# Altium PCB Bidir_Active_Rectifier-Main_Board.PcbDoc (part 1 of 3)
Units mm, origin at the board's own origin, x right, y up, seen from the top; angles counter-clockwise.
Board outline 95 x 135 mm, 2 copper layers (Top Layer, Bottom Layer), stack 1.641 mm thick; 308 components, 176 nets, 905 pads, 591 vias.
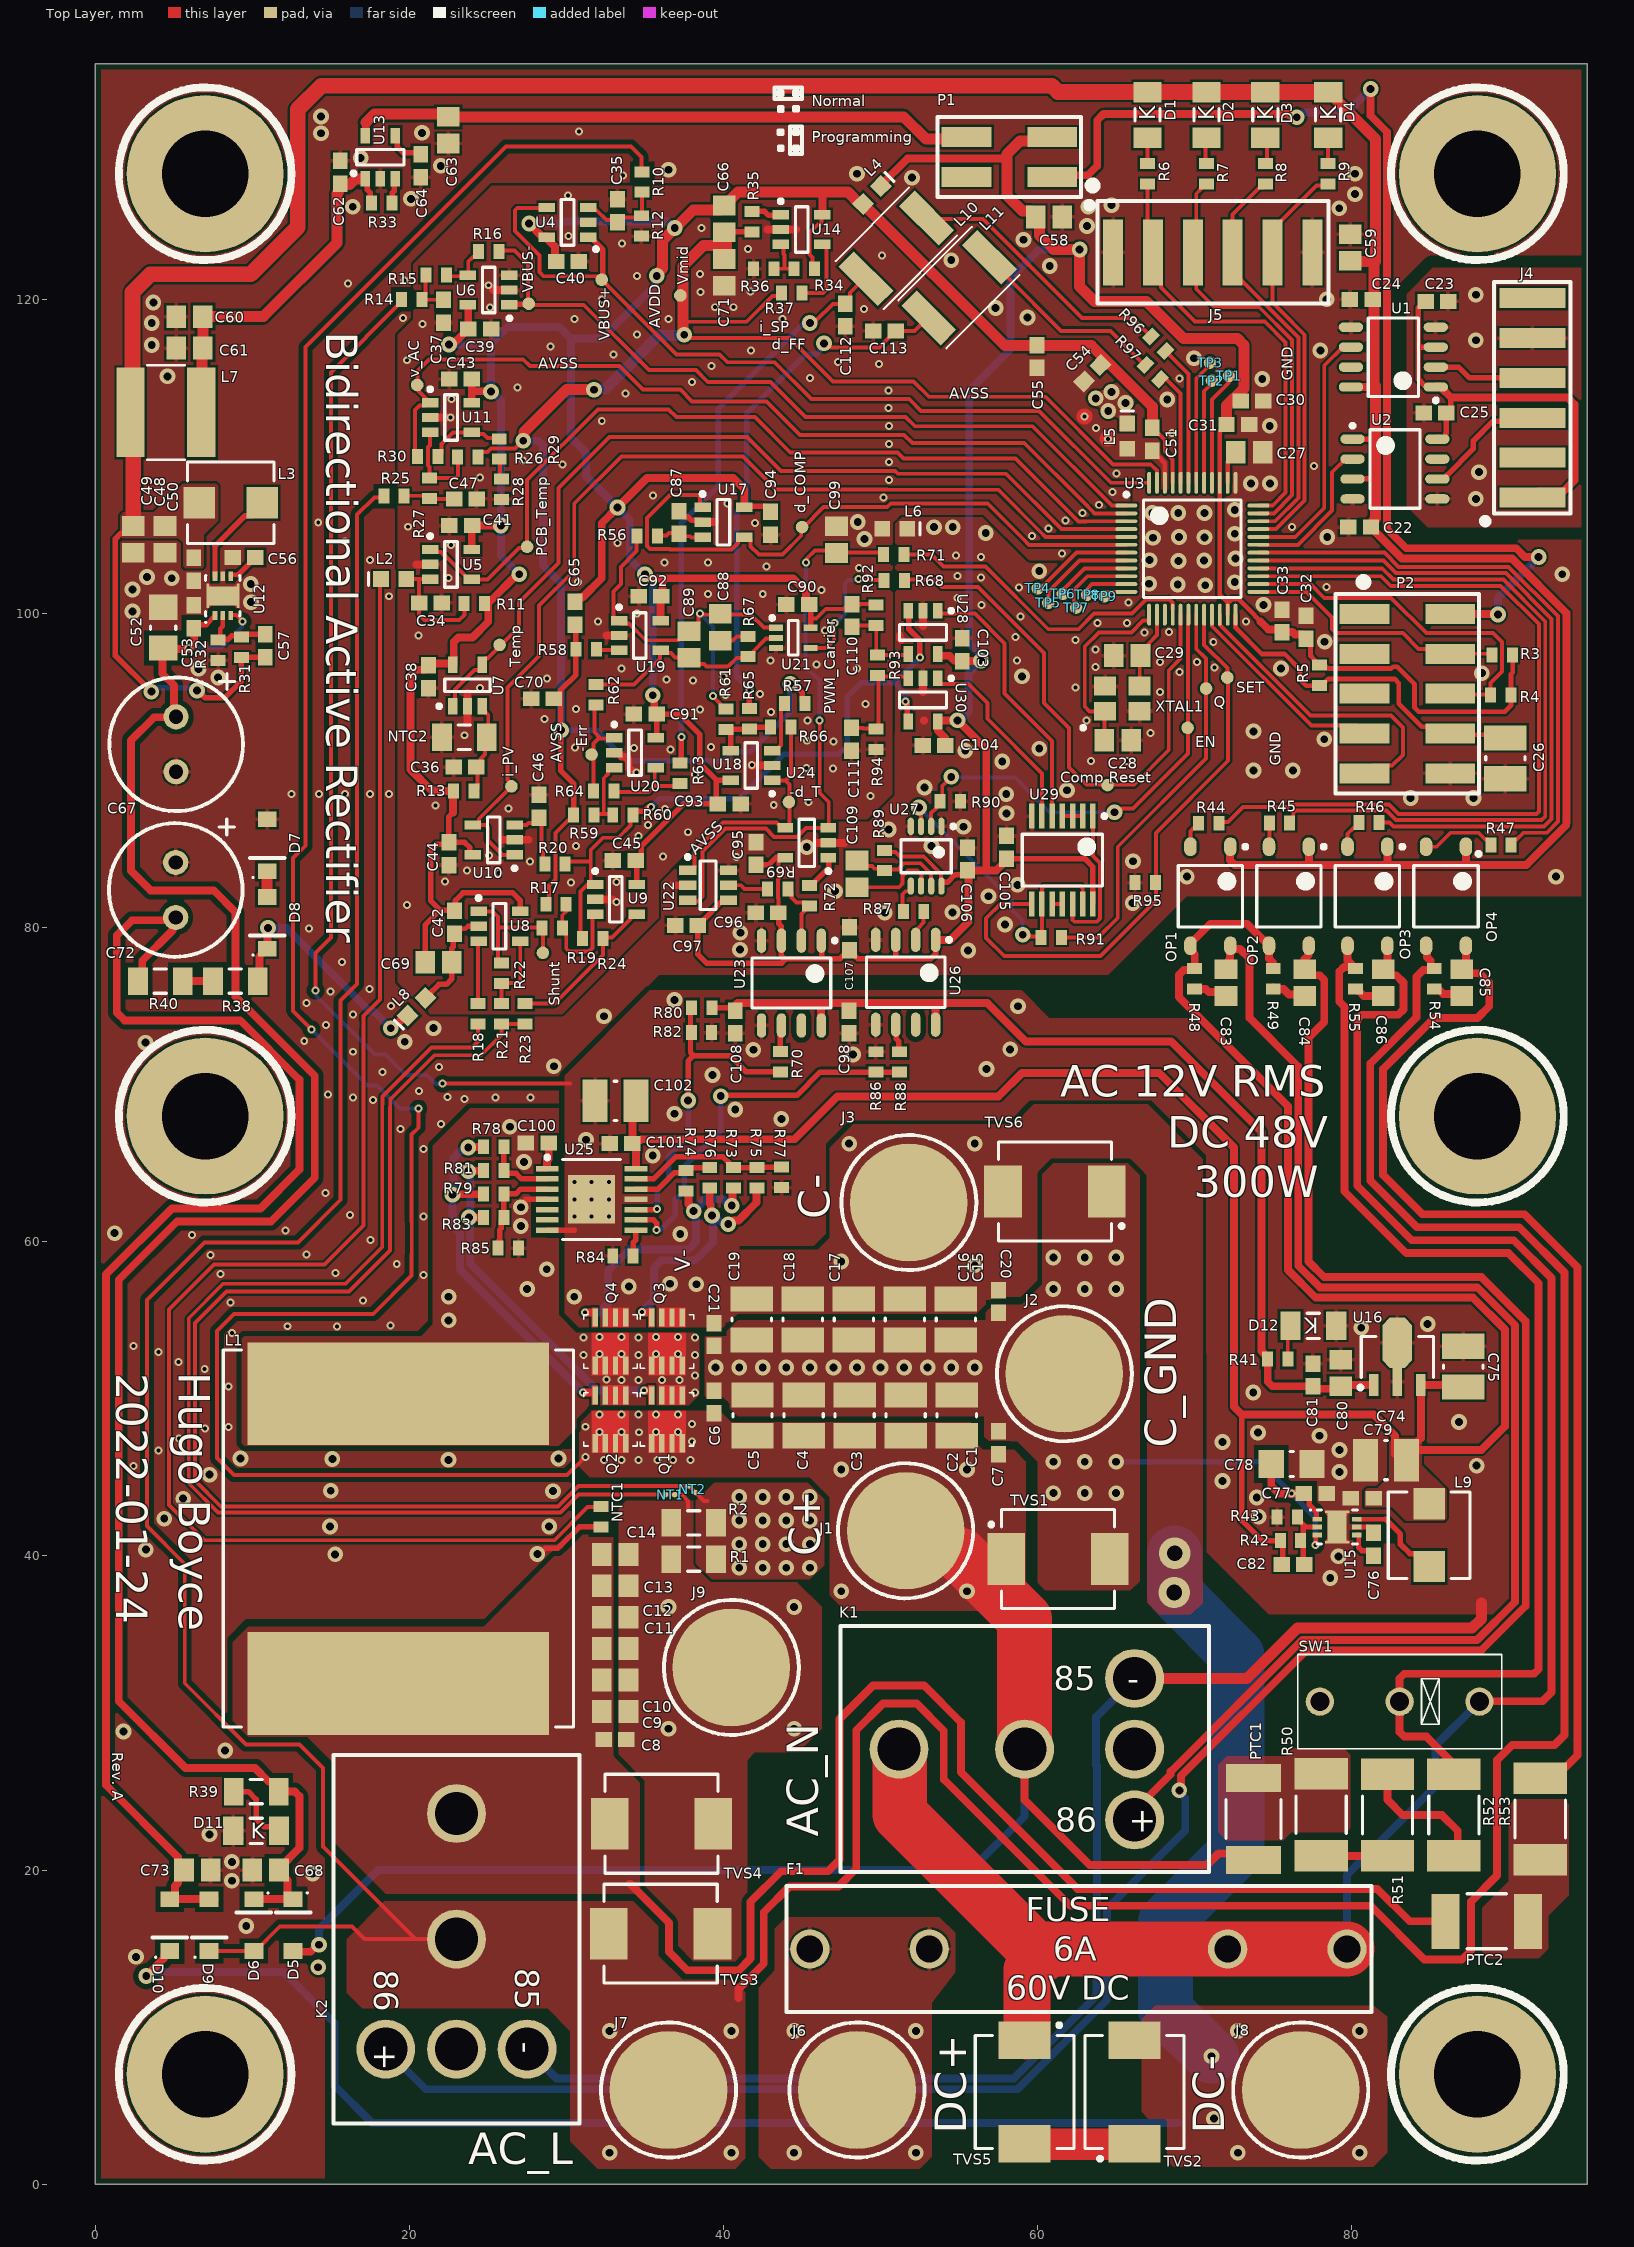
[diagram p0: Top Layer view]
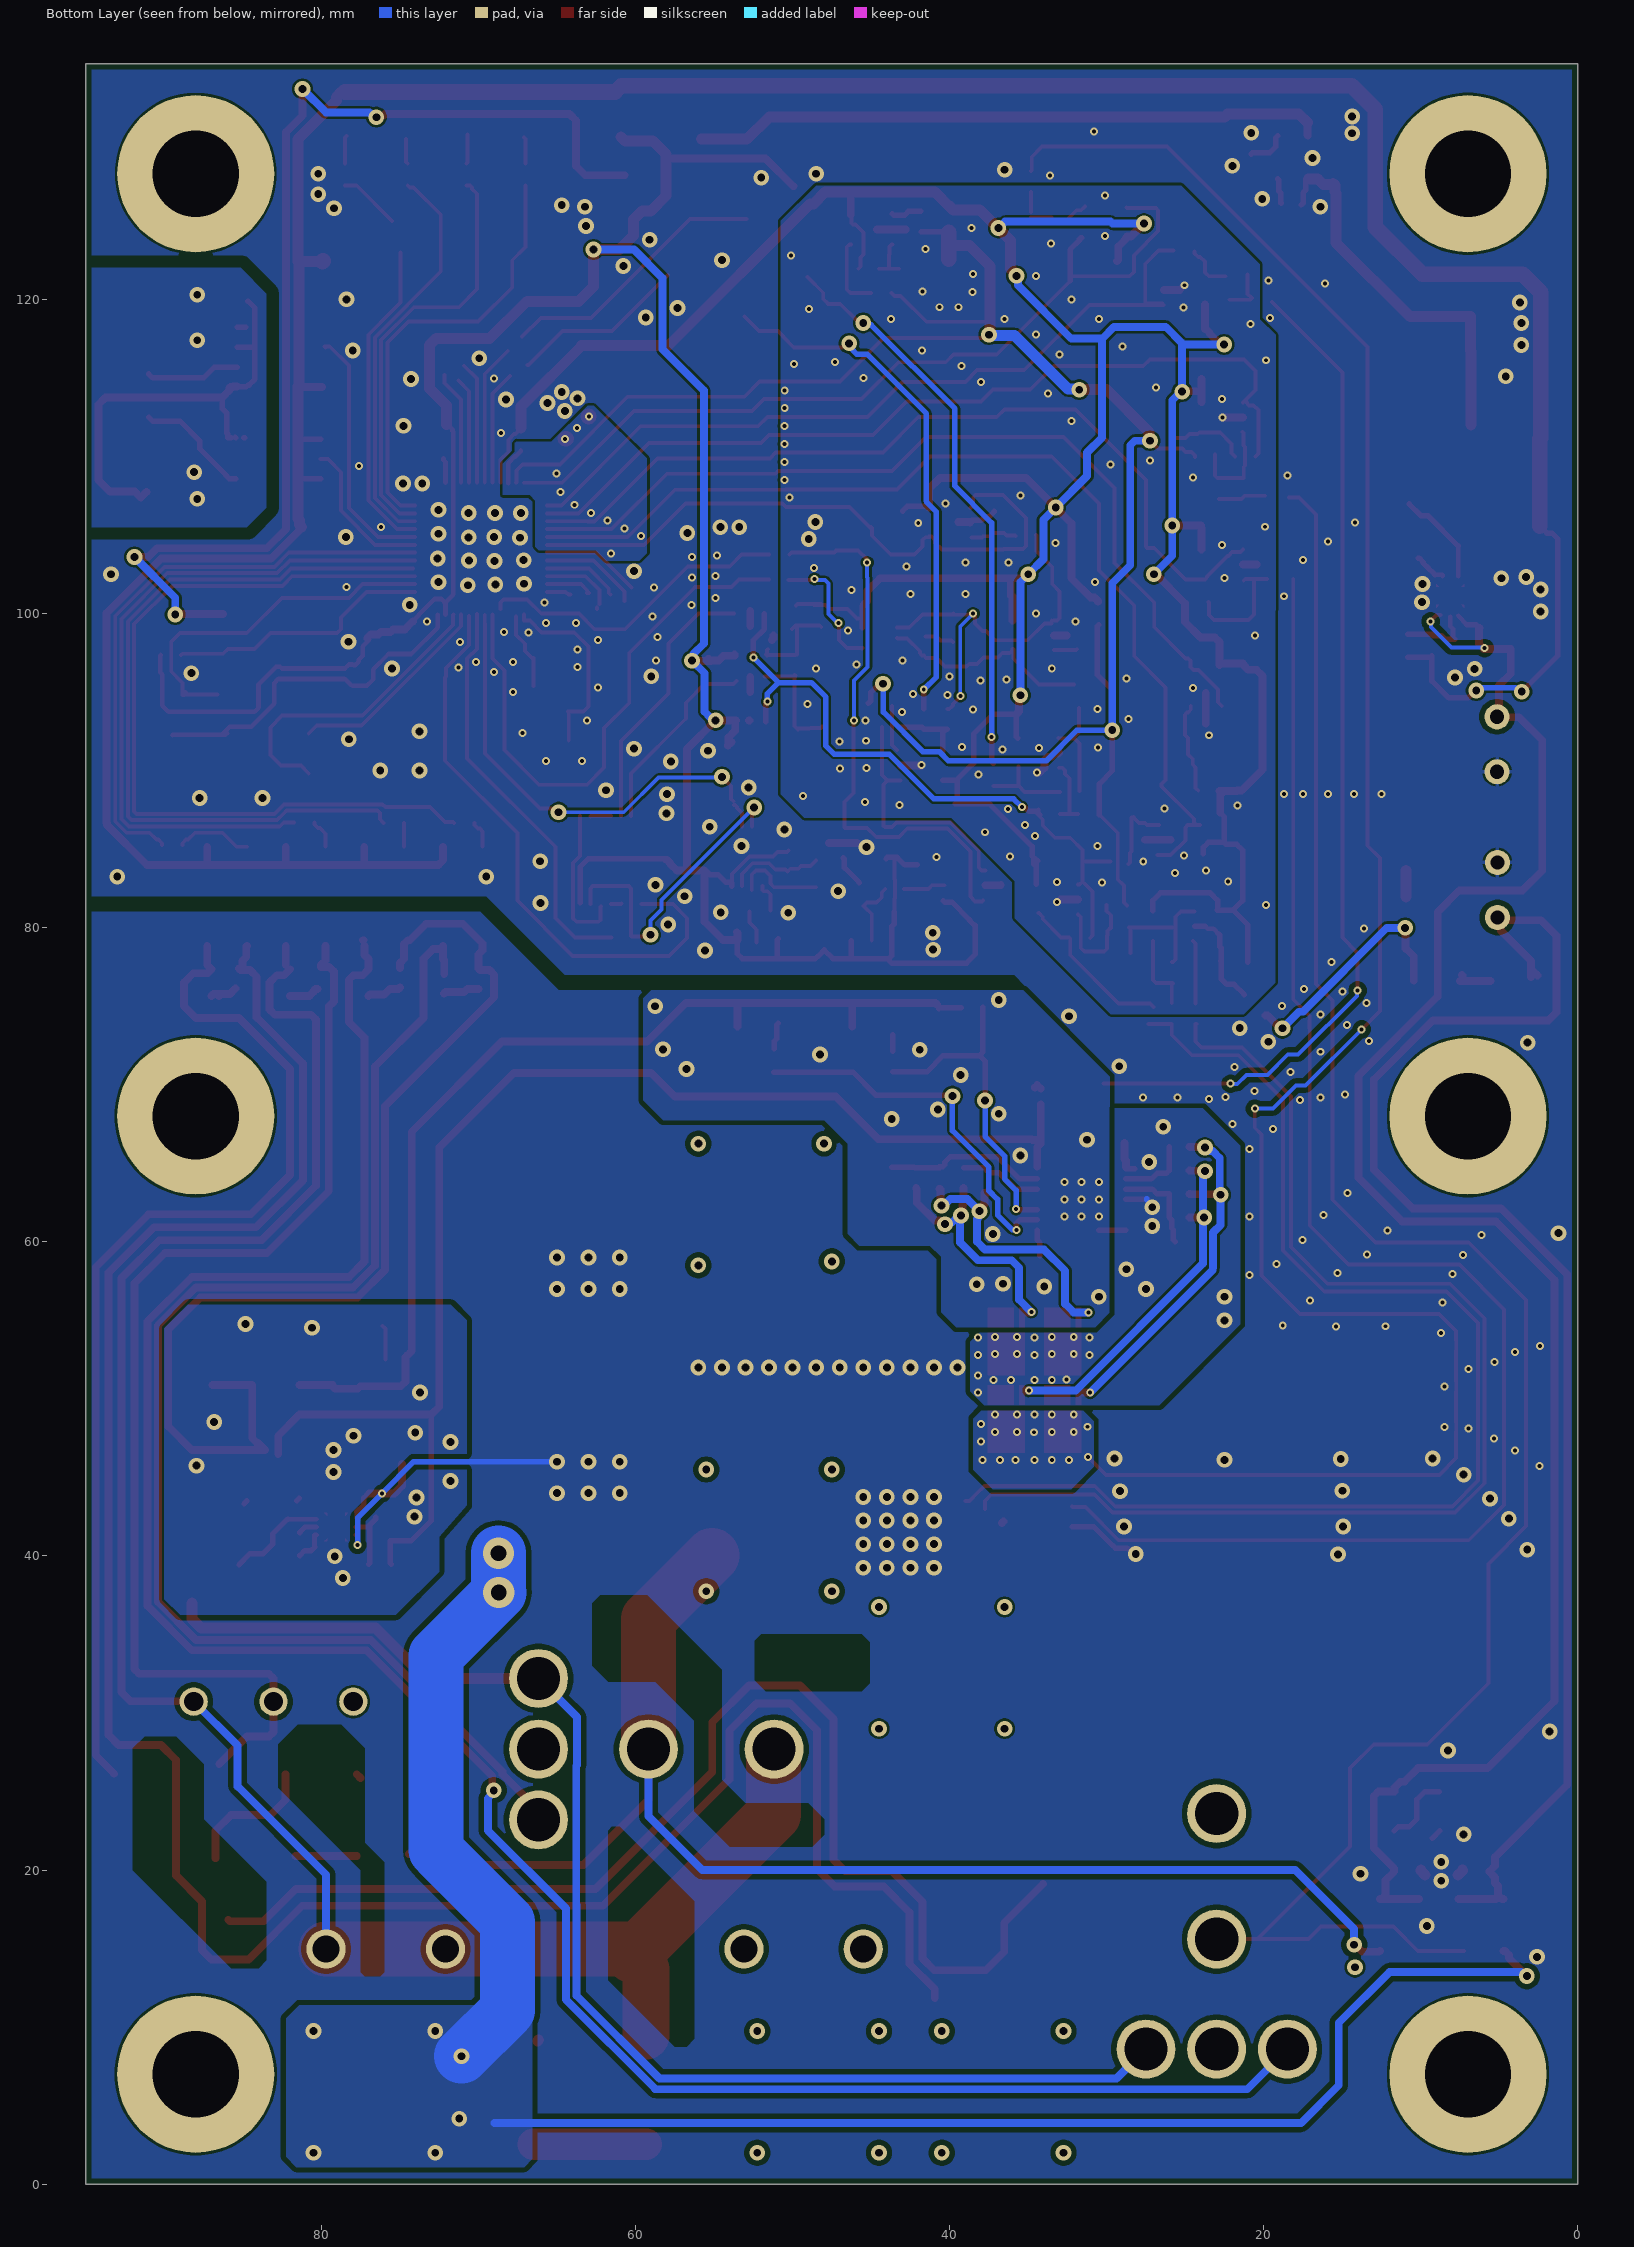
[diagram p1: Bottom Layer view, seen from below]

## Layer stack, top to bottom
Top Solder: solder mask 0.0254, SM-001, Dk 4
Top Layer: signal copper 0.0711
Dielectric 1: core 1.4986, Core-043, Dk 4.3
Bottom Layer: signal copper 0.0711
Bottom Solder: solder mask 0.0254, SM-001, Dk 4

## Board outline
0,0 0,135 95,135 95,0

## Design rules (kind name [scope] priority, off if disabled: settings)
BoardOutlineClearance [All] p1: gap=0.381 ignorepadtopadclearanceinfootprint=FALSE except(0: Arc-SplitContinuation Track-SplitContinuation SMDPad-SplitContinuation THPad-SplitContinuation Via-SplitContinuation Fill-SplitContinuation Poly-SplitContinuation Region-SplitContinuation Text-SplitContinuation)
Clearance V_SW [InNetClass('V_SW_Referenced') vs Not InNetClass('V_SW_Referenced')] p1: gap=0.324 ignorepadtopadclearanceinfootprint=FALSE
Clearance VBUS+ [InNetClass('VBUS+_Referenced')] p2: gap=0.324 ignorepadtopadclearanceinfootprint=FALSE
Clearance VBUS- [InNetClass('VBUS-_Referenced') vs (Not InNetClass('VBUS-_Referenced')) And ( Not InNetClass('Excluded'))] p3: gap=0.324 ignorepadtopadclearanceinfootprint=FALSE
Clearance Any_Voltage [InNetClass('Any_Voltage')] p4: gap=0.324 ignorepadtopadclearanceinfootprint=FALSE
Clearance Any_Voltage_1 [InNetClass('V_Ext_Referenced') vs Not InNetClass('V_Ext_Referenced')] p5: gap=0.8 ignorepadtopadclearanceinfootprint=FALSE
Clearance General [All] p6: gap=0.152 ignorepadtopadclearanceinfootprint=FALSE
FabricationTestPointUsage [All] p1: valid=0 allowmultiple=TRUE
FabricationTestpoint [All] p1: side=3 testpointundercomponent=FALSE minsize=1.016 maxsize=2.54 preferedsize=1.524 minholesize=0 maxholesize=1.016 preferedholesize=0.813 testpointgrid=0.025 allowsidetop=TRUE allowsidebottom=TRUE usegrid=TRUE gridtolerance=0
Height [All] p1: minheight=0 maxheight=35 prefheight=12.7
HoleSize [All] p1: absolutevalues=TRUE maxlimit=6.35 minlimit=0.254 maxpercent=80.000 minpercent=20.000
MinimumAnnularRing [All] p1: minimumring=0.102
MinimumSolderMaskSliver [All] p1: minsoldermaskwidth=0.102
NetAntennae [IsTrack] p1: netantennaetolerance=5
PolygonConnect PolygonConnect_Power_components_and_vias [(InComponentClass('Power Components')) Or IsVia] p1: connectstyle=Direct reliefconductorwidth=0.254 reliefentries=4 polygonreliefangle="90 Angle" airgapwidth=0.254
PolygonConnect [All] p2: connectstyle=Relief reliefconductorwidth=0.254 reliefentries=4 polygonreliefangle="90 Angle" airgapwidth=0.127
RoutingVias [All] p1: holewidth=0.5 width=1 viastyle="Through Hole" minholewidth=0.254 minwidth=0.457 maxholewidth=6.35 maxwidth=8
SilkToSilkClearance [All] p1: silktosilkclearance=0.001
SilkToSolderMaskClearance [IsPad] p1: minsilkscreentomaskgap=0.076 clearancetoexposedcopper=TRUE
SolderMaskExpansion [All] p1: expansion=0.076 istentingtop=FALSE
UnRoutedNet [All] p1: checkbadconnections=TRUE
Width [All] p1: maxlimit=5 minlimit=0.152 preferedwidth=0.254
21 further rules are at their usual default settings.

## Classes and differential pairs
net class V_SW_Referenced: GATE_H_1 GATE_H_2 NetC100_2 NetR78_2 NetR79_2 V_SW
net class V_Ext_Referenced: 3V3_EXT GND_USB NetJ4_3 NetJ4_4 NetJ8_2 NetJ8_6 NetP3_2 NetP3_6 NetU2_7
net class Excluded: NetC82_2 NetU24_5 NetU24_6
net class Any_Voltage: AC_PERM AC_SW NetK2_87A_Dummy NetPTC2_2 NetR38_1 V+_Const V-_Const
component class "Power Components": C1 C2 C3 C4 C5 C6 C7 C8 C9 C10 C11 C12 C13 C14 C15 C16 C17 C18 C19 C20 C21 C27 C30 C31 C32 C33 C48 C49 C50 C51 C52 C53 C54 C55 C56 C71 C74 C77 C78 C79 C95 C99 C100 J1 J2 J3 J6 J7 J8 J9 K1 K2 L1 L3 L5 L6 L9 PTC1 PTC2 Q1 Q2 Q3 Q4 R1 R2 R50 R53 TVS1 TVS2 TVS3 TVS4 TVS5 TVS6 U3 U12 U15 U25
net class VBUS-_Referenced: ENABLE GATE_L_1 GATE_L_2 NetC76_2 NetC82_2 NetC83_1 NetC83_2 NetC84_1 NetC84_2 NetC85_1 NetC86_1 NetD12_2 NetL9_1 NetR70_1 NetR73_1 NetR74_1 NetR84_2 NetR88_1 PWM VBUS- VBUS-_+5V VBUS-_+12V
net class GND_Referenced: +3.3V_Reg +3.6V -1.5V -d_TOT -Error AC_Charge AC_N AC_PERM AC_Switch ADC_d_COMP ADC_i_PV ADC_PCB_Temp ADC_v_AC ADC_VBUS+ ADC_VBUS- ADC_Xformer_Temp AVDD AVSS COMP_RESET CURRENT_OK_LATCH_Q CURRENT_OK_LATCH_SET d_CMP d_FF DC_Charge DC_Switch ENABLE_PULSE GND i_PV i_SP ICE_CLK ICE_DAT LED_Amber LED_Blue LED_Green LED_Red NetC27_2 NetC28_2 NetC29_2 NetC34_2 NetC35_2 NetC36_2 NetC37_2 NetC46_2 NetC47_2 NetC56_2 NetC57_2 NetC60_2 NetC64_2 NetC87_2 NetC88_1 NetC89_1 NetD1_1 NetD2_1 NetD3_1 NetD4_1 NetD7_1 NetD8_1 NetL2_1 NetL3_1 NetL10_1 NetL11_1 NetP1_1 NetR15_1 NetR17_1 NetR18_2 NetR19_1 NetR21_2 NetR23_2 NetR26_2 NetR28_1 NetR29_1 NetR33_1 NetR34_1 NetR35_2 NetR37_2 NetR57_1 NetR58_1 NetR59_1 NetR61_1 NetR63_2 NetR68_2 NetR69_1 NetR69_2 NetR72_1 NetTP1_1 NetTP2_1 NetTP3_1 NetTP4_1 NetTP5_1 NetTP6_1 NetTP7_1 NetTP8_1 NetTP9_1 nRESET PWM_Carrier PWM_CARRIER_SQ PWM_d_FF PWM_i_SP Reg_Out Shunt_+ Shunt_- UART0_RXD UART0_TXD UART1_RXD UART1_TXD VBUS+ VBUS- Vmid
net class VBUS+_Referenced: NetC86_2 NetF1_1 NetK1_87A_Dummy NetOP3_3 NetPTC1_2 NetR50_2 NetR51_2 VBUS+

## Components (designator, comment, footprint, x,y, rotation, side; value= is the part's Value field where it differs from the comment)
C1 "GCM32EC71H106KA03L" CAPC3225X27N 54.85,48.95 r270 top
C2 "GCM32EC71H106KA03L" CAPC3225X27N 51.6,48.95 r270 top
C3 "GCM32EC71H106KA03L" CAPC3225X27N 48.35,48.95 r270 top
C4 "GCM32EC71H106KA03L" CAPC3225X27N 45.1,48.95 r270 top
C5 "GCM32EC71H106KA03L" CAPC3225X27N 41.85,48.95 r270 top
C6 "CC0603KPX7R9BB104" CAPC1608X09N 39.4,49.8 r270 top
C7 "CC0603KPX7R9BB104" CAPC1608X09N 57.5,47.2 r270 top
C8 "CC0603KPX7R9BB104" CAPC1608X09N 33.1,28.3 r180 top
C9 "GCM21BC7YA225KE02L" CAPC2012X14N 33.1,30.1 r180 top
C10 "GCM21BC7YA225KE02L" CAPC2012X14N 33.1,32.1 r180 top
C11 "GCM21BC7YA225KE02L" CAPC2012X14N 33.1,34.1 r180 top
C12 "GCM21BC7YA225KE02L" CAPC2012X14N 33.1,36.1 r180 top
C13 "GCM21BC7YA225KE02L" CAPC2012X14N 33.1,38.1 r180 top
C14 "GCM21BC7YA225KE02L" CAPC2012X14N 33.1,40.1 r180 top
C15 "GCM32EC71H106KA03L" CAPC3225X27N 54.8,55.05 r270 top
C16 "GCM32EC71H106KA03L" CAPC3225X27N 51.55,55.05 r270 top
C17 "GCM32EC71H106KA03L" CAPC3225X27N 48.3,55.05 r270 top
C18 "GCM32EC71H106KA03L" CAPC3225X27N 45.05,55.05 r270 top
C19 "GCM32EC71H106KA03L" CAPC3225X27N 41.8,55.05 r270 top
C20 "CC0603KPX7R9BB104" CAPC1608X09N 57.5,56.2 r270 top
C21 "CC0603KPX7R9BB104" CAPC1608X09N 39.4,54.1 r270 top
C22 "CC0603KPX7R9BB104" CAPC1608X09N 80.5,105.5 r180 top
C23 "CC0603KPX7R9BB104" CAPC1608X09N 85.425,119.875 r180 top
C24 "CC0603KPX7R9BB104" CAPC1608X09N 80.6,120 r180 top
C25 "CC0603KPX7R9BB104" CAPC1608X09N 85.3,112.775 r0 top
C26 "GCM32EC71H106KA03L" CAPC3225X27N 89.782,90.782 r90 top
C27 "GCM21BC7YA225KE02L" CAPC2012X14N 73.475,110.275 r180 top
C28 "Cap" CAPC2012X14N 65.1,91.925 r180 top value="18 pF"
C29 "Cap" CAPC2012X14N 65.7,97.325 r0 top value="18 pF"
C30 "CC0603KPX7R9BB104" CAPC1608X09N 73.65,113.525 r180 top
C31 "Cap" CAPC1608X09N 72.75,112.025 r180 top value="10 nF"
C32 "Cap" CAPC1608X09N 77.075,99.125 r270 top value="10 nF"
C33 "CC0603KPX7R9BB104" CAPC1608X09N 75.55,99.525 r270 top
C34 "CC0603KPX7R9BB104" CAPC1608X09N 21.35,100.675 r180 top
C35 "Cap" CAPC1608X09N 33.25,125.65 r270 top value="10 nF"
C36 "CC0603KPX7R9BB104" CAPC1608X09N 23.55,90.225 r0 top
C37 "Cap" CAPC1608X09N 22.175,119.25 r90 top value="10 nF"
C38 "CC0603KPX7R9BB104" CAPC1608X09N 21.225,95.975 r90 top
C39 "CC0603KPX7R9BB104" CAPC1608X09N 24.475,118.125 r180 top
C40 "CC0603KPX7R9BB104" CAPC1608X09N 30.075,122.425 r180 top
C41 "CC0603KPX7R9BB104" CAPC1608X09N 23.275,105.6 r0 top
C42 "CC0603KPX7R9BB104" CAPC1608X09N 22.885,80.342 r90 top
C43 "CC0603KPX7R9BB104" CAPC1608X09N 23.25,114.925 r0 top
C44 "CC0603KPX7R9BB104" CAPC1608X09N 22.522,84.71 r90 top
C45 "CC0603KPX7R9BB104" CAPC1608X09N 33.675,84.275 r0 top
C46 "Cap" CAPC1608X09N 28.247,87.735 r270 top value="1 nF"
C47 "Cap" CAPC1608X09N 23.575,107.3 r180 top value="10 nF"
C48 "CL21A226KQCLRNC" CAPC2012X14N 4.45,104.725 r90 top
C49 "CL21A226KQCLRNC" CAPC2012X14N 2.425,104.725 r90 top
C50 "CC0603KPX7R9BB104" CAPC1608X09N 6.275,102.825 r270 top
C51 "CC0603KPX7R9BB104" CAPC1608X09N 67.3,111.1 r90 top
C52 "CL31B475KAHNNNE" CAPC3216X12N 4.325,99.1 r270 top
C53 "CC0603KPX7R9BB104" CAPC1608X09N 6.275,99.8 r90 top
C54 "Cap" CAPC1608X09N 63.475,115.3 r45 top
C55 "Cap" CAPC1608X09N 59.964,116.358 r90 top
C56 "CL10A105KA5LNNC" CAPC1608X09N 9.475,103.575 r0 top
C57 "" CAPC1608X09N 10.825,97.95 r90 top value=33pF
C58 "CL21A226KQCLRNC" CAPC2012X14N 60.725,125.25 r180 top
C59 "CL21A226KQCLRNC" CAPC2012X14N 79.9,123.3 r270 top
C60 "CL21A226KQCLRNC" CAPC2012X14N 6,118.9 r0 top
C61 "CL21A226KQCLRNC" CAPC2012X14N 6,116.9 r0 top
C62 "CC0603KPX7R9BB104" CAPC1608X09N 15.6,128.1 r270 top
C63 "CL21A226KQCLRNC" CAPC2012X14N 22.475,130.775 r90 top
C64 "CC0603KPX7R9BB104" CAPC1608X09N 20.725,128.5 r90 top
C65 "CC0603KPX7R9BB104" CAPC1608X09N 30.55,100.025 r90 top
C66 "CL21A226KQCLRNC" CAPC2012X14N 40.05,125.125 r90 top
C67 "35ZLJ330M8X20" ELECTROLYTIC_D8_P3.5_H20 5.15,91.675 r270 top
C68 "GCM21BC7YA225KE02L" CAPC2012X14N 10.85,20 r0 top
C69 "GCM21BC7YA225KE02L" CAPC2012X14N 21.86,77.792 r180 top
C70 "CC0603KPX7R9BB104" CAPC1608X09N 28.475,94.575 r0 top
C71 "CL21A226KQCLRNC" CAPC2012X14N 40.05,121.725 r90 top
C72 "35ZLJ330M8X20" ELECTROLYTIC_D8_P3.5_H20 5.125,82.4 r270 top
C73 "GCM21BC7YA225KE02L" CAPC2012X14N 6.5,20 r0 top
C74 "GCM32EC71H106KA03L" CAPC3225X27N 82.175,46.1 r0 top
C75 "GCM32EC71H106KA03L" CAPC3225X27N 87.1,52.05 r270 top
C76 "CL10A105KA5LNNC" CAPC1608X09N 81.375,40.746 r270 top
C77 "CC0603KPX7R9BB104" CAPC1608X09N 77.675,43.975 r180 top
C78 "CL31B475KAHNNNE" CAPC3216X12N 76.175,45.85 r180 top
C79 "CC0603KPX7R9BB104" CAPC1608X09N 80.675,43.675 r0 top
C80 "GCM21BC7YA225KE02L" CAPC2012X14N 79.3,51.65 r270 top
C81 "CC0603KPX7R9BB104" CAPC1608X09N 77.525,51.525 r270 top
C82 "" CAPC1608X09N 76.261,39.465 r0 top value=33pF
C83 "Cap" CAPC2012X14N 72,76.5 r90 top value="160 pF"
C84 "Cap" CAPC2012X14N 77,76.5 r90 top value="160 pF"
C85 "Cap" CAPC2012X14N 87,76.5 r90 top value="160 pF"
C86 "Cap" CAPC2012X14N 82,76.5 r90 top value="160 pF"
C87 "Cap" CAPC1608X09N 37.175,105.8 r270 top value="1 nF"
C88 "Cap" CAPC2012X14N 39.8,99.125 r90 top value="56 nF"
C89 "Cap" CAPC2012X14N 37.8,98.025 r90 top value="160 pF"
C90 "CC0603KPX7R9BB104" CAPC1608X09N 44.725,100.575 r0 top
C91 "CC0603KPX7R9BB104" CAPC1608X09N 35.025,93.6 r0 top
C92 "CC0603KPX7R9BB104" CAPC1608X09N 35.325,101.1 r0 top
C93 "CC0603KPX7R9BB104" CAPC1608X09N 40.375,87.875 r180 top
C94 "CC0603KPX7R9BB104" CAPC1608X09N 43,105.75 r90 top
C95 "CC0603KPX7R9BB104" CAPC1608X09N 42.075,84.725 r270 top
C96 "CC0603KPX7R9BB104" CAPC1608X09N 42.775,80.95 r0 top
C97 "CC0603KPX7R9BB104" CAPC1608X09N 37.65,80.15 r0 top
C98 "CC0603KPX7R9BB104" CAPC1608X09N 48,74 r90 top
C99 "Cap" CAPC2012X14N 47.2,104.7 r270 top value="470 pF"
C100 "GRM188R71E474KA12D" CAPC1608X09N 28.15,66.3 r0 top
C101 "CC0603KPX7R9BB104" CAPC1608X09N 33.475,66.25 r0 top
C102 "GCM32EC71H106KA03L" CAPC3225X27N 33.125,68.975 r0 top
C103 "CC0603KPX7R9BB104" CAPC1608X09N 55.2,97.7 r270 top
C104 "CC0603KPX7R9BB104" CAPC1608X09N 53.4,91.6 r0 top
C105 "CC0603KPX7R9BB104" CAPC1608X09N 58.025,85.125 r270 top
C106 "CC0603KPX7R9BB104" CAPC1608X09N 55.525,84.375 r270 top
C107 "CC0603KPX7R9BB104" CAPC1608X09N 48.025,79.3 r270 top
C108 "CC0603KPX7R9BB104" CAPC1608X09N 40.75,74 r90 top
C109 "Cap" CAPC2012X14N 48.5,83.425 r90 top value="1 nF"
C110 "CC0603KPX7R9BB104" CAPC1608X09N 48.175,99.875 r90 top
C111 "CC0603KPX7R9BB104" CAPC1608X09N 48.15,92 r90 top
C112 "GRM188R71E474KA12D" CAPC1608X09N 47.75,119 r90 top
C113 "GRM188R71E474KA12D" CAPC1608X09N 50.25,118 r0 top
D1 "150120RS75000" 150120RS75000 67,131.75 r90 top
D2 "150120RS75000" 150120RS75000 70.75,131.75 r90 top
D3 "150120RS75000" 150120RS75000 74.5,131.75 r90 top
D4 "150120RS75000" 150120RS75000 78.5,131.75 r90 top
D5 "1N4007FLTR" SMC-Diodes-Solutions_SOD-123FL 12.6,16.5 r270 top
D6 "1N4007FLTR" SMC-Diodes-Solutions_SOD-123FL 10.1,16.5 r270 top
D7 "1N4007FLTR" SMC-Diodes-Solutions_SOD-123FL 10.95,85.25 r90 top
D8 "1N4007FLTR" SMC-Diodes-Solutions_SOD-123FL 10.95,80.3 r90 top
D9 "1N4007FLTR" SMC-Diodes-Solutions_SOD-123FL 7.25,16.5 r90 top
D10 "1N4007FLTR" SMC-Diodes-Solutions_SOD-123FL 4.75,16.5 r90 top
D11 "150120RS75000" 150120RS75000 10.25,22.5 r0 top
D12 "150120RS75000" 150120RS75000 77.55,54.65 r180 top
F1 "3529" 6.35x32mm_Glass_Fuse_3529_6A 45.5,14.975 r0 top
J1 "7466204R" 7466204R 51.6,41.6 r180 top
J2 "7466204R" 7466204R 61.7,51.6 r90 top
J3 "7466204R" 7466204R 51.8,62.5 r0 top
J4 "91601-306LF" 91601-306LF 91.432,107.398 r90 top
J5 "91601-306LF" 91601-306LF 64.818,123.068 r0 top
J6 "7466204R" 7466204R 48.5,6 r0 top
J7 "7466204R" 7466204R 36.5,6 r180 top
J8 "7466204R" 7466204R 76.75,6 r0 top
J9 "7466204R" 7466204R 40.5,32.9 r180 top
K1 "A11CSP12VDC1.2D" CIT_A11xSP 59.175,27.7 r180 top
K2 "A11CSP12VDC1.2D" CIT_A11xSP 23,15.6 r90 top
L1 "PA4349.472ANLT" Pulse_PA4349.XXXANLT 19.3,41.1 r90 top
L2 "PE-0603PFB121ST" INDC1608N 19,102.2 r0 top
L3 "CLF5030NIT-4R7N-D" TDK_CLF5030NIT 8.625,107.05 r180 top
L4 "PE-0603PFB121ST" INDC1608N 49.45,126.65 r225 top
L5 "PE-0603PFB121ST" INDC1608N 65.7,111.3 r270 top
L6 "PE-0603PFB121ST" INDC1608N 50.9,105.4 r180 top
L7 "ASPI-6045S-331M-T" Abracon_ASPI-6045S 4.5,112.8 r0 top
L8 "PE-0603PFB121ST" INDC1608N 20.46,74.967 r45 top
L9 "CLF5030NIT-100M-D" TDK_CLF5030NIT 84.925,41.325 r90 top
L10 "Bourns SMD Indiuctor" SRE6603 51,123.25 r225 top
L11 "Bourns SMD Indiuctor" SRE6603 55,120.75 r225 top
NT1 "Net_Tie_0.35mm" Net_Tie_0.35mm 36.6,43.9 r0 top net-tie
NT2 "Net_Tie_0.35mm" Net_Tie_0.35mm 38,44.25 r315 top net-tie
NTC1 "NCU18XH103F60RB" RESC1608X06N 32.2,42.5 r270 top
NTC2 "NCU18XH103F60RB" RESC3216X06N 23.5,92.125 r180 top
OP1 "TLP176D(F)" Toshiba_2.54SOP4_11-5H1 71,82 r270 top
OP2 "TLP176D(F)" Toshiba_2.54SOP4_11-5H1 76,82 r270 top
OP3 "TLP176D(F)" Toshiba_2.54SOP4_11-5H1 81,82 r270 top
OP4 "TLP176D(F)" Toshiba_2.54SOP4_11-5H1 86,82 r270 top
P1 "10129383-904001BLF" 10129383-904001BLF 58.2,127.8 r90 top
P2 "10129383-910001ALF" 10129383-910001ALF 83.537,99.977 r270 top
PTC1 "PFMF.010.2" 0ZCG0_BEL_FUSE 73.75,23.25 r90 top
PTC2 "PFMF.010.2" 0ZCG0_BEL_FUSE 88.595,16.739 r0 top
Q1 "BSZ110N08NS5ATMA1" INFINEON_PG-TSDSON-8-32 36.4,48.7 r180 top
Q2 "BSZ110N08NS5ATMA1" INFINEON_PG-TSDSON-8-32 32.8,48.7 r180 top
Q3 "BSZ110N08NS5ATMA1" INFINEON_PG-TSDSON-8-32 36.4,53.645 r180 top
Q4 "BSZ110N08NS5ATMA1" INFINEON_PG-TSDSON-8-32 32.8,53.645 r180 top
R1 "RL1632T4F-R004-FNH" RESC3216X06N 38.1,39.8 r180 top value="4 mΩ"
R2 "RL1632T4F-R004-FNH" RESC3216X06N 38.1,42.1 r180 top value="4 mΩ"
R3 "Res1" RESC1608X06N 89.582,97.357 r0 top value=100K